# KiCad board PCA20073_nRF54L15_Tiny_Board.kicad_pcb (continued)
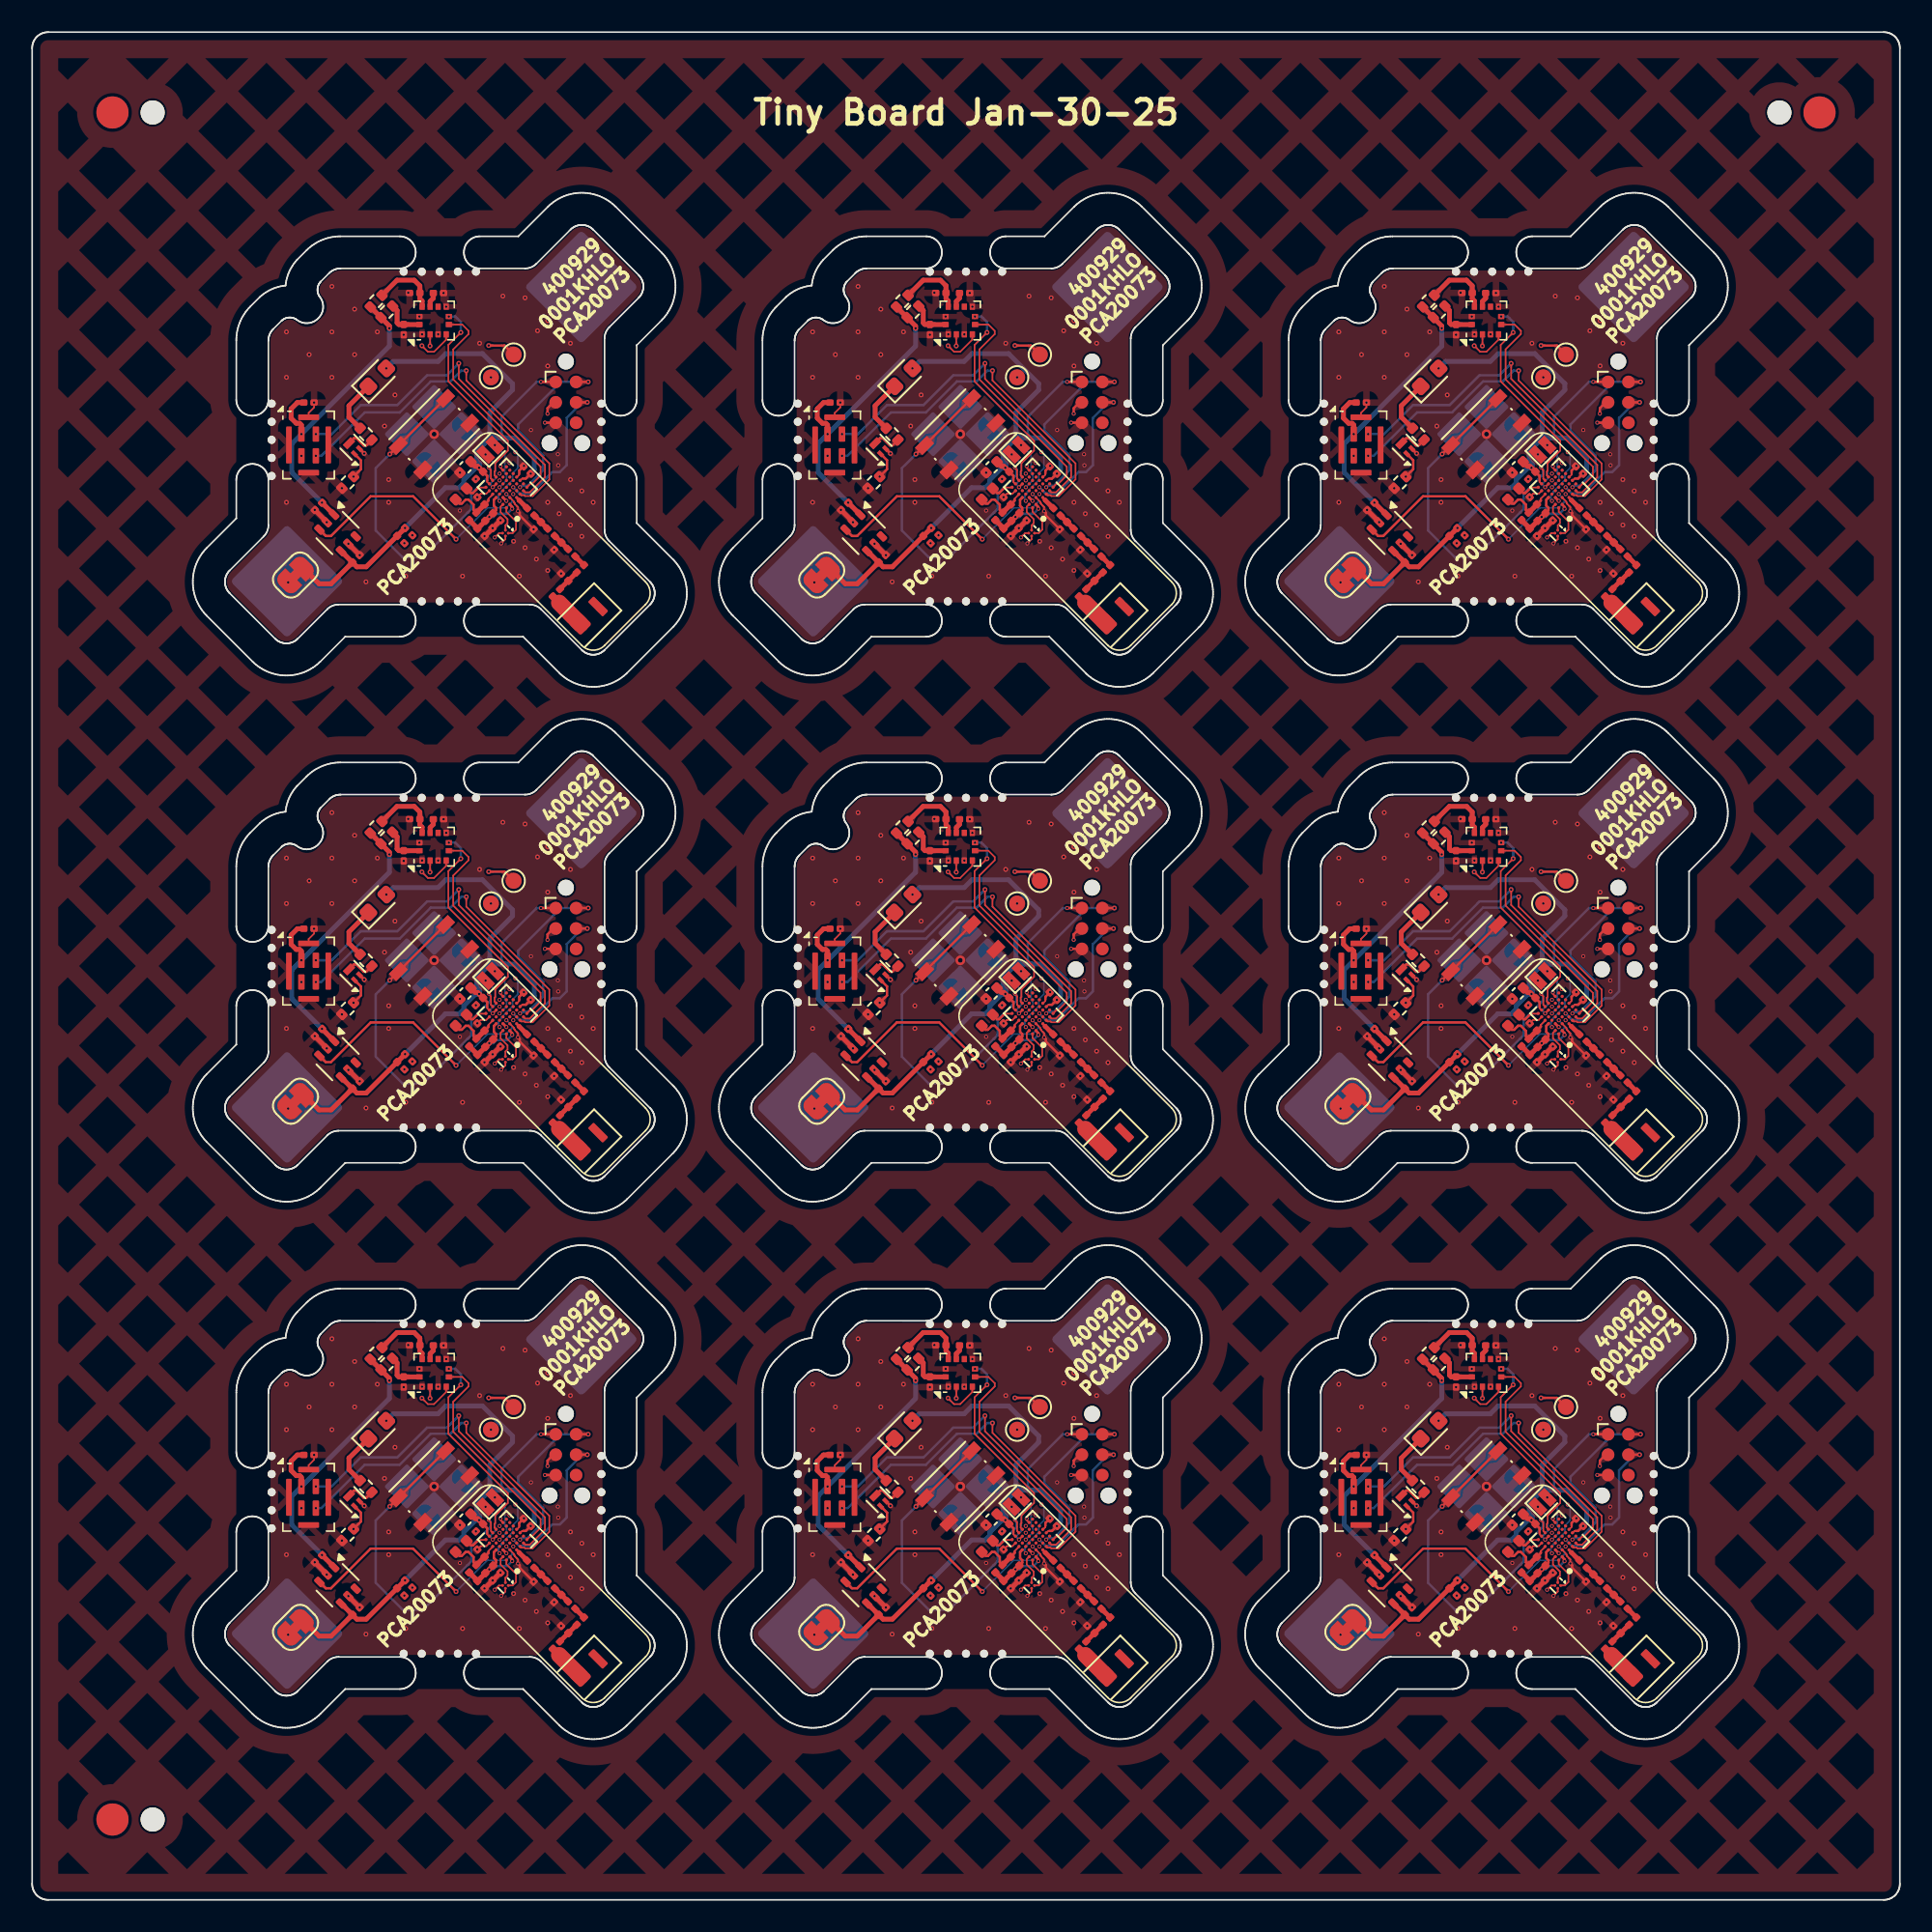
[diagram p0: board, top side]
## Routing (per net, layer and track width the routed paths; a pad name or vN(x,y) marks a point on that pad's centre or on a via; arc(x,y) is an arc through that point) (continued)
  vias: v1(16.76,24.38) v1(26.63,20.97) v1(27.62,22.93) v1(29.72,23.93) v1(30.61,23.75) v1(31.05,25.98) v1(32.72,24.48) v1(32.74,23.79) v2(15.83,32.09) v2(15.83,29.26) v2(15.83,21.48) v2(17.24,30.68) v2(18.66,34.92) v2(18.66,32.09) v2(18.66,29.26) v2(20.07,33.51) v2(20.07,30.68) v2(20.78,16.54) v2(21.48,32.09) v2(21.93,26.23) v2(22.19,22.9) v2(22.19,21.48) v2(22.58,28.17) v2(23.13,31.91) v2(23.25,16.89) v2(23.41,34.53) v2(24.11,33.05) v2(24.27,31.94) v2(25.27,31.94) v2(25.61,34.51) v2(25.77,33.66) v2(26.63,23.33) v2(26.79,16.89) v2(27.85,31.38) v2(29.3,34.32) v2(29.96,19.06) v2(30.32,16.89) v2(30.68,34.21) v2(30.68,18.66) v2(31.46,32.16) v2(31.38,17.95) v2(32.09,32.8) v2(32.09,29.97) v2(32.09,21.48) v2(32.09,17.24) v2(32.49,18.53) v2(32.8,20.78) v2(32.92,17.05) v2(33.51,31.38) v2(33.51,22.9) v2(33.51,20.07) v2(34.21,22.19) v2(34.21,19.36) v2(34.92,21.48) v3(25.02,25.73)
Board_6-Net-(AE1-PCB_Trace): length 1.9
  Top w1: AE1#3.2 32.8,15.23
Board_6-Net-(BT1-+):
  vias: v2(15.93,16.5)
Board_6-Net-(C6-Pad1): length 1.2
  Top w0.293: 31.25,20.67 32.07,19.85
Board_6-Net-(C9-Pad1): length 1.2
  Top w0.293: 32.53,19.4 33.35,18.58
Board_6-Net-(D1-K): length 3.4
  Top w0.3: D1#5.1 19.72,27.5 19.72,26.79 R1#3.1
Board_6-Net-(J1-SWCLK): length 9.5
  Top w0.15: J1#3.4 v2(34.55,27.71)
  Bottom w0.15: v1(29.94,22.42) 29.94,22.42 30.33,22.03 31.04,22.03 32.37,23.37 32.84,23.37 33.27,23.8 33.27,26.74 34.24,27.71 v2(34.55,27.71)
Board_6-Net-(J1-SWDIO): length 11.6
  Top w0.15: J1#3.2 33.86,28.98 v2(34.61,28.98)
  Bottom w0.15: v1(30.37,22.42) 30.38,22.42 30.48,22.52 30.85,22.52 31.81,23.48 31.81,24.4 30.25,25.96 30.25,26.33 32.9,28.98 v2(34.61,28.98)
Board_6-Net-(J1-~{RESET}): length 8.1
  Top w0.15: v1(29.94,22) 29.94,21.98 29.94,21.98 ; v1(32.08,27) 32.08,27.34 32.45,27.71 J1#3.3
  In2.Cu w0.15: v1(29.94,22) 30.02,22.08 30.58,22.08 31.77,23.27 31.77,23.8 30.97,24.6 30.97,25.34 31.46,25.83 31.46,26.75 31.71,27 v1(32.08,27)
Board_6-Net-(JP2-A): length 2.6
  Top w0.3: JP2#8.1 22.72,33.42 22.72,32.66 22.82,32.55 C16#3.1 23.13,32.55 U3.12 24.1,32.55
Board_6-Net-(JP3-A): length 4.3
  Top w0.3: U3.10 24.27,34.02 24.13,34.15 C17#2.1 24.13,34.96 23.78,35.31 22.71,35.31 JP3#5.1
Board_6-Net-(L4-Pad2): length 0.8
  Top w0.293: 33.8,18.12 34.34,17.58
Board_6-Net-(L18-Pad1): length 1.5
  Top w0.293: 33.89,17.13 32.85,16.09
Board_6-Net-(Q1-D): length 1.9
  Top w0.15: R1#3.2 20.79,25.02 20.64,25.02 20.18,25.48 20.04,25.48 Q1#8.3
Board_6-Net-(U1-ANT): length 0.9
  Top w0.1: 30.17,21.77 30.16,21.77 30.3,21.62
  Top w0.293: 30.3,21.62 30.3,21.62 L2#5.1
Board_6-Net-(U1-DCC): length 1.5
  Top w0.1: 28.24,22.4 27.78,22.4 27.76,22.38
  Top w0.15: 27.76,22.38 27.44,22.06 27.32,22.06 L1#8.2
Board_6-Net-(U1-DECA): length 5.3
  Top w0.15: C5#4.1 28.87,20.99 28.87,21.14 28.74,21.27 28.74,21.64 U1#8.A4 ; 29.73,21.34 29.88,21.2 v1(29.88,21.08)
  Top w0.3: FB1#7.1 27.7,19.88 C2#6.1 27.72,19.83 v1(28.45,20.57) C5#4.1
  Bottom w0.15: v1(29.88,21.08) 29.57,20.77 28.9,20.77 28.7,20.57 v1(28.45,20.57)
Board_6-Net-(U1-DECD): length 3.6
  Top w0.1: 28.67,21.98 28.4,21.71 28.4,21.65
  Top w0.15: C1.1 28.4,21.59 28.4,21.65 ; L1#8.1 26.6,21.41 26.74,21.41 26.99,21.65 27.16,21.65 27.47,21.34 27.47,21.01 FB1#7.2
  Top w0.3: FB1#7.2 C1.1
Board_6-Net-(U1-P1.00): length 3.1
  Top w0.1: v1(29.09,22.42) 29.1,22.41 29.09,22.4
  Bottom w0.1: v1(28.8,25.05) 29.43,24.42 29.43,23.26 29.53,23.15 29.53,22.86 v1(29.09,22.42)
Board_6-Net-(U1-XC1): length 2.2
  Top w0.1: U1#8.A1 29.52,20.89 30.12,20.29 30.12,19.78 29.91,19.57 29.64,19.57 Y2.1
Board_6-Net-(U1-XC2): length 1.9
  Top w0.1: U1#8.A2 29.16,21.21 29.16,20.87 29.59,20.44 29.59,20.18 29.46,20.05 Y2.4
Board_6-Net-(U3-V_{REG_OUT}): length 0.9
  Top w0.3: U3.9 24.77,33.99 24.97,34.19 C15#4.1
Board_6-unconnected-(U1-P1.03-PadD5): length 0
  Top w0.1: U1#8.D5 29.31,22.62 29.31,22.62
Board_6-VDD: length 45.3
  Top w0.1: 28.32,22.82 28.32,22.75 28.46,22.62 ; 30.37,22.83 30.5,22.96 30.57,22.96
  Top w0.15: 30.57,22.96 30.73,22.96 v2(31.03,23.27) ; J1#3.1 32.59,28.98 v1(31.67,28.98) ; C11#6.1 28.32,23.13 28.32,22.82
  Top w0.3: C10#2.1 27.59,23.73 27.73,23.73 v2(27.82,23.63) C11#6.1 ; JP1#2.2 17.86,16.42 18.61,16.42 C3.1 ; C3.1 20.21,17.47 20.79,17.47 v2(23.21,19.89) ; C3.1 19.24,18.44 U2#5.4
  Bottom w0.15: 29.22,25.73 29.22,25.49 ; 29.22,25.73 29.46,25.49 29.47,25.49 ; 29.22,25.73 29.22,26.8 31.4,28.98 v1(31.67,28.98) ; 29.22,25.73 29.22,25.69 29.02,25.49
  Bottom w0.3: 27.86,23.9 27.86,23.78 27.71,23.63 27.61,23.63 ; 27.86,23.9 27.86,23.67 v2(27.82,23.63) 27.61,23.63 ; 27.86,23.9 27.67,24.08 27.67,24.66 28.49,25.47 ; 28.49,25.47 28.49,25.87 ; 28.49,25.47 28.51,25.49 28.74,25.49 ; 27.61,23.63 26.87,22.89 26.87,22.68 26.58,22.4 25.72,22.4 v2(23.21,19.89) ; 28.74,25.49 28.74,25.54 28.49,25.79 28.49,25.87 ; 28.74,25.49 30.05,25.49 31.26,24.29 31.26,23.49 31.06,23.3 ; 28.49,25.87 28.49,27.07 29.9,28.49 29.9,28.87 28.03,30.74 25.75,30.74 25.26,30.25 22.47,30.25 v2(22.04,29.82)
Board_7-/BUTTON0: length 21.9
  Top w0.1: v1(61.17,23.66) 61.17,23.62 61.3,23.49 61.3,22.96 U1#6.C7
  Top w0.15: SW1#8.1 SW1#8.1 v2(55.01,24.49)
  Bottom w0.15: v2(55.01,24.49) 54.13,23.61 54.13,19.73 55.8,18.06 57.08,18.06 59.85,20.83 60.08,21.07 60.08,22.02 61.28,23.21 61.28,23.55 v1(61.17,23.66)
Board_7-/INT1: length 14.2
  Top w0.1: U1#6.G1 63.73,22.62 63.85,22.62 64.39,23.16 64.39,23.7 58.96,29.14 58.96,31 59.91,31.96 59.91,32.16 59.52,32.55 U3#8.5
Board_7-/INT2: length 12.8
  Top w0.1: v2(59.43,32.06) 58.65,31.28 58.65,29.02 62.36,25.31 62.36,24.7 61.57,23.92 61.57,23.45 61.52,23.4 61.52,23.17 U1#6.D7
  Bottom w0.15: v2(59.43,32.06) 59.43,32.71 59.09,33.05 v2(58.68,33.05)
Board_7-/LED: length 17.8
  Top w0.15: Q1#3.1 53.21,24.1 53.21,23.54 v2(52.75,23.08) ; v1(62.27,21.57) 62.27,21.57 U1#6.B3
  In2.Cu w0.15: v2(52.75,23.08) 53.43,22.4 53.43,19.65 55.27,17.82 56.11,17.82 57.52,19.23 58.48,19.23 58.96,18.75 59.56,18.75 60.52,19.71 60.52,20.43 61.26,21.17 61.87,21.17 v1(62.27,21.57)
Board_7-/LFCLK1: length 2.8
  Top w0.075: 61.42,22.42 61.42,22.4
  Top w0.1: U1#6.C6 v1(61.42,22.42)
  Bottom w0.1: v1(61.42,22.42) 61.29,22.55 61.29,22.67 61.57,22.95 61.57,23.87 v1(60.97,24.46)
Board_7-/LSW: length 15.9
  Top w0.075: v1(62.27,22) 62.27,21.98
  Top w0.15: U2.3 51.02,19.39 51.35,19.39 53.82,21.86 56.46,21.86 v2(59.13,19.19)
  Bottom w0.1: v1(62.27,22) 62.62,21.64 62.62,21.51 62.25,21.14 61.09,21.14 v2(59.13,19.19)
Board_7-/PDM_CLK: length 22.8
  Top w0.1: v2(59.77,29.68) 59.77,29.07 64.94,23.9 64.94,22.91 63.9,21.87 63.43,21.87 63.38,21.92 63.19,21.92 U1#6.E1
  Bottom w0.15: v2(59.77,29.68) 59.45,29.68 58.78,29.01 57.56,29.01 55.63,27.08 53.45,27.08 50.75,24.38 v1(50.41,24.38)
Board_7-/PDM_DATA: length 21.8
  Top w0.1: U1#6.F1 63.43,22.11 63.72,22.11 64.66,23.05 64.66,23.81 59.3,29.17 v2(59.3,30.13)
  Bottom w0.15: v1(50.41,25.73) 51.39,25.73 53.2,27.54 55.48,27.54 57.33,29.39 58.56,29.39 v2(59.3,30.13)
Board_7-/SCL: length 28.8
  Top w0.075: U1#6.F7 62.06,23.47
  Top w0.1: v2(57.01,31.23) 57.38,30.85 57.76,30.85 58.52,31.61 U3#8.4 ; U1#6.F7 61.9,23.64 v1(61.9,23.73)
  In2.Cu w0.1: v1(61.9,23.73) 62.11,23.52 62.11,23.26 62.17,23.19 62.17,22.33 61.81,21.96 61.54,21.96 59.16,19.58 57.2,19.58 56.93,19.3 56.55,19.3 56.54,19.31 56.28,19.31 ; v2(56.41,19.43) 56.28,19.31 ; 56.28,19.31 56.22,19.24 56.22,19.1 56.43,18.9 56.43,18.57 55.97,18.12 55.41,18.12 53.8,19.72 53.8,27.77 57.01,30.97 v2(57.01,31.23)
  In2.Cu w0.15: v2(56.41,19.43) 56.55,19.3
Board_7-/SDA: length 24.8
  Top w0.1: v2(57.51,31.21) 57.52,31.22 U3#8.2 ; v1(61.84,22.85) 61.84,22.83
  In2.Cu w0.1: v2(55.92,18.94) 56.12,18.73 56.12,18.62 55.94,18.44 55.42,18.44 54.1,19.77 54.1,27.66 57.51,31.07 v2(57.51,31.21)
  In2.Cu w0.15: v2(55.92,18.94) 55.78,19.08 55.78,19.25 56.38,19.86 56.38,20.17 58.68,22.47 60.32,22.47 60.7,22.84 61.84,22.84 v1(61.84,22.85)
Board_7-/UART_RX: length 13.6
  Top w0.15: TP2#3.1 62.15,31.24 v2(61.16,31.24)
  In2.Cu w0.15: v2(61.16,31.24) 62.15,31.24 62.98,30.42 62.98,24.76 v1(62.83,24.6)
  Bottom w0.1: v1(62.83,24.6) 62.97,24.45 62.97,23.62 62.65,23.3 62.65,22.87 61.95,22.17 61.95,22.1 61.78,21.93 61.78,21.83 61.78,21.89 61.78,21.64 v1(61.84,21.57)
Board_7-/UART_TX: length 7.1
  In2.Cu w0.15: v2(61.3,29.26) 62.65,27.92 62.65,24.89 61.59,23.84 61.59,23.5 61.83,23.27 v1(61.84,23.27)
Board_7-GND: length 11.5
  Top w0.075: 62.74,21.44 62.92,21.26
  Top w0.1: MK1#8.5 49.96,27.05 50.3,27.39 v1(50.3,27.69) ; U1#6.A6 61.01,22.02 60.67,22.02 v1(60.46,21.81) ; U1#6.C2 62.74,21.53 62.74,21.48 62.79,21.43 62.79,21.39 62.99,21.19 v1(62.99,20.93) ; v1(61.94,18.93) 62.21,19.19 Y2#9.2 ; v1(61.54,19.3) 61.8,19.57 Y2#9.3 ; 62.9,23.04 63.07,23.2 63.07,23.29
  Top w0.15: v1(62.99,20.93) 63.09,20.83 63.09,20.67 v2(63.96,19.8) ; C8#9.2 63.07,23.46 63.07,23.29 ; v2(52.03,22.36) 52.03,22.35 52.04,22.33 ; v2(53.42,24.53) Q1#3.2 ; J1#8.5 65.33,26.44 v1(64.66,26.44)
  Top w0.3: C12#8.2 v1(61.41,19.88) ; v1(61.41,19.88) v1(61.9,20.37) ; v1(61.41,19.88) 60.92,19.38 v1(60.9,19.38) ; v2(50.34,21.01) 51.09,20.26 v2(51.09,20.25) ; v2(52.43,18.9) v2(53.14,18.2)
  vias: v1(49.51,24.38) v1(59.37,20.97) v1(60.37,22.93) v1(62.46,23.93) v1(63.36,23.75) v1(63.79,25.98) v1(65.47,24.48) v1(65.49,23.79) v2(48.58,32.09) v2(48.58,29.26) v2(48.58,21.48) v2(49.99,30.68) v2(51.41,34.92) v2(51.41,32.09) v2(51.41,29.26) v2(52.82,33.51) v2(52.82,30.68) v2(53.53,16.54) v2(54.23,32.09) v2(54.68,26.23) v2(54.94,22.9) v2(54.94,21.48) v2(55.33,28.17) v2(55.87,31.91) v2(56,16.89) v2(56.16,34.53) v2(56.85,33.05) v2(57.02,31.94) v2(58.02,31.94) v2(58.36,34.51) v2(58.52,33.66) v2(59.37,23.33) v2(59.54,16.89) v2(60.6,31.38) v2(62.05,34.32) v2(62.71,19.06) v2(63.07,16.89) v2(63.43,34.21) v2(63.43,18.66) v2(64.13,17.95) v2(64.2,32.16) v2(64.84,32.8) v2(64.84,29.97) v2(64.84,21.48) v2(64.84,17.24) v2(65.24,18.53) v2(65.55,20.78) v2(65.67,17.05) v2(66.25,31.38) v2(66.25,22.9) v2(66.25,20.07) v2(66.96,22.19) v2(66.96,19.36) v2(67.67,21.48) v3(57.77,25.73)
Board_7-Net-(AE1-PCB_Trace): length 1.9
  Top w1: AE1.2 65.55,15.23
Board_7-Net-(BT1-+):
  vias: v2(48.68,16.5)
Board_7-Net-(C6-Pad1): length 1.2
  Top w0.293: 64,20.67 64.82,19.85
Board_7-Net-(C9-Pad1): length 1.2
  Top w0.293: 65.28,19.4 66.1,18.58
Board_7-Net-(D1-K): length 3.4
  Top w0.3: R1#7.1 52.47,26.79 52.47,27.5 D1.1
Board_7-Net-(J1-SWCLK): length 9.5
  Top w0.15: J1#8.4 v2(67.3,27.71)
  Bottom w0.15: v1(62.69,22.42) 62.69,22.42 63.08,22.03 63.79,22.03 65.12,23.37 65.59,23.37 66.02,23.8 66.02,26.74 66.99,27.71 v2(67.3,27.71)
Board_7-Net-(J1-SWDIO): length 11.6
  Top w0.15: v2(67.36,28.98) 66.61,28.98 J1#8.2
  Bottom w0.15: v1(63.12,22.42) 63.13,22.42 63.23,22.52 63.6,22.52 64.56,23.48 64.56,24.4 63,25.96 63,26.33 65.65,28.98 v2(67.36,28.98)
Board_7-Net-(J1-~{RESET}): length 8.1
  Top w0.15: J1#8.3 65.19,27.71 64.83,27.34 v1(64.83,27) ; 62.69,21.98 62.69,21.98 v1(62.69,22)
  In2.Cu w0.15: v1(62.69,22) 62.77,22.08 63.33,22.08 64.52,23.27 64.52,23.8 63.72,24.6 63.72,25.34 64.2,25.83 64.2,26.75 64.46,27 v1(64.83,27)
Board_7-Net-(JP2-A): length 2.6
  Top w0.3: 56.85,32.55 U3#8.12 55.88,32.55 C16#9.1 55.57,32.55 55.46,32.66 55.46,33.42 JP2#5.1
Board_7-Net-(JP3-A): length 4.3
  Top w0.3: JP3#6.1 55.46,35.31 56.53,35.31 56.88,34.96 C17#8.1 56.88,34.15 57.02,34.02 U3#8.10
Board_7-Net-(L4-Pad2): length 0.8
  Top w0.293: 66.55,18.12 67.09,17.58
Board_7-Net-(L18-Pad1): length 1.5
  Top w0.293: 66.64,17.13 65.6,16.09
Board_7-Net-(Q1-D): length 1.9
  Top w0.15: R1#7.2 53.54,25.02 53.39,25.02 52.93,25.48 52.78,25.48 Q1#3.3
Board_7-Net-(U1-ANT): length 0.9
  Top w0.1: 63.05,21.62 62.9,21.77 62.91,21.77
  Top w0.293: L2#7.1 63.05,21.62 63.05,21.62
Board_7-Net-(U1-DCC): length 1.5
  Top w0.1: 60.51,22.38 60.53,22.4 60.99,22.4
  Top w0.15: 60.51,22.38 60.19,22.06 60.07,22.06 L1#5.2
Board_7-Net-(U1-DECA): length 5.3
  Top w0.15: 62.48,21.34 62.63,21.2 v1(62.63,21.08) ; U1#6.A4 61.49,21.64 61.49,21.27 61.62,21.14 61.62,20.99 C5#9.1
  Top w0.3: FB1#5.1 60.45,19.88 C2#4.1 60.47,19.83 v1(61.2,20.57) C5#9.1
  Bottom w0.15: v1(62.63,21.08) 62.32,20.77 61.65,20.77 61.45,20.57 v1(61.2,20.57)
Board_7-Net-(U1-DECD): length 3.6
  Top w0.1: 61.42,21.98 61.15,21.71 61.15,21.65
  Top w0.15: L1#5.1 59.35,21.41 59.49,21.41 59.73,21.65 59.9,21.65 60.22,21.34 60.22,21.01 FB1#5.2 ; C1#9.1 61.15,21.59 61.15,21.65
  Top w0.3: FB1#5.2 C1#9.1
Board_7-Net-(U1-P1.00): length 3.1
  Top w0.1: v1(61.84,22.42) 61.85,22.41 61.84,22.4
  Bottom w0.1: v1(61.55,25.05) 62.17,24.42 62.17,23.26 62.28,23.15 62.28,22.86 v1(61.84,22.42)
Board_7-Net-(U1-XC1): length 2.2
  Top w0.1: U1#6.A1 62.27,20.89 62.87,20.29 62.87,19.78 62.66,19.57 62.38,19.57 Y2#9.1
Board_7-Net-(U1-XC2): length 1.9
  Top w0.1: Y2#9.4 62.21,20.05 62.34,20.18 62.34,20.44 61.91,20.87 61.91,21.21 U1#6.A2
Board_7-Net-(U3-V_{REG_OUT}): length 0.9
  Top w0.3: C15#7.1 57.72,34.19 57.52,33.99 U3#8.9
Board_7-unconnected-(U1-P1.03-PadD5): length 0
  Top w0.1: 62.05,22.62 62.06,22.62 62.06,22.63
Board_7-VDD: length 45.3
  Top w0.1: 61.21,22.62 61.07,22.75 61.07,22.82 ; 63.11,22.83 63.25,22.96 63.32,22.96
  Top w0.15: C11#9.1 61.07,23.13 61.07,22.82 ; v1(64.42,28.98) 65.33,28.98 J1#8.1 ; 63.32,22.96 63.48,22.96 v2(63.78,23.27)
  Top w0.3: C11#9.1 v2(60.57,23.63) 60.48,23.73 60.34,23.73 C10.1 ; C3#4.1 51.36,16.42 50.61,16.42 JP1.2 ; C3#4.1 51.99,18.44 U2.4 ; C3#4.1 52.96,17.47 53.54,17.47 v2(55.96,19.89)
  Bottom w0.15: v1(64.42,28.98) 64.15,28.98 61.97,26.8 61.97,25.73 ; 62.22,25.49 62.21,25.49 61.97,25.73 ; 61.97,25.73 61.97,25.69 61.77,25.49 ; 61.97,25.73 61.97,25.49
  Bottom w0.3: v2(55.96,19.89) 58.47,22.4 59.33,22.4 59.61,22.68 59.61,22.89 60.36,23.63 ; 61.23,25.47 60.42,24.66 60.42,24.08 60.6,23.9 ; 61.23,25.47 61.23,25.87 ; 61.23,25.47 61.26,25.49 61.49,25.49 ; 61.49,25.49 62.8,25.49 64.01,24.29 64.01,23.49 63.81,23.3 ; 61.49,25.49 61.49,25.54 61.23,25.79 61.23,25.87 ; 60.6,23.9 60.6,23.78 60.46,23.63 60.36,23.63 ; 60.6,23.9 60.6,23.67 v2(60.57,23.63) 60.36,23.63 ; 61.23,25.87 61.23,27.07 62.65,28.49 62.65,28.87 60.77,30.74 58.5,30.74 58.01,30.25 55.22,30.25 v2(54.79,29.82)
Board_8-/BUTTON0: length 21.9
  Top w0.1: U1#7.C7 94.05,22.96 94.05,23.49 93.92,23.62 v1(93.92,23.66)
  Top w0.15: v2(87.76,24.49) SW1#9.1 SW1#9.1
  Bottom w0.15: v1(93.92,23.66) 94.03,23.55 94.03,23.21 92.83,22.02 92.83,21.07 92.6,20.83 89.83,18.06 88.55,18.06 86.88,19.73 86.88,23.61 v2(87.76,24.49)
Board_8-/INT1: length 14.2
  Top w0.1: U1#7.G1 96.48,22.62 96.6,22.62 97.14,23.16 97.14,23.7 91.71,29.14 91.71,31 92.66,31.96 92.66,32.16 92.27,32.55 U3#3.5
Board_8-/INT2: length 12.8
  Top w0.1: U1#7.D7 94.27,23.17 94.27,23.4 94.32,23.45 94.32,23.92 95.11,24.7 95.11,25.31 91.4,29.02 91.4,31.28 v2(92.18,32.06)
  Bottom w0.15: v2(91.43,33.05) 91.84,33.05 92.18,32.71 v2(92.18,32.06)
Board_8-/LED: length 17.8
  Top w0.15: v1(95.01,21.57) 95.01,21.57 U1#7.B3 ; v2(85.5,23.08) 85.96,23.54 85.96,24.1 Q1#5.1
  In2.Cu w0.15: v1(95.01,21.57) 94.61,21.17 94.01,21.17 93.27,20.43 93.27,19.71 92.31,18.75 91.71,18.75 91.23,19.23 90.27,19.23 88.86,17.82 88.02,17.82 86.18,19.65 86.18,22.4 v2(85.5,23.08)
Board_8-/LFCLK1: length 2.8
  Top w0.075: v1(94.17,22.42) 94.17,22.4
  Top w0.1: U1#7.C6 v1(94.17,22.42)
  Bottom w0.1: v1(93.72,24.46) 94.32,23.87 94.32,22.95 94.04,22.67 94.04,22.55 v1(94.17,22.42)
Board_8-/LSW: length 15.9
  Top w0.075: 95.02,21.98 95.02,21.98 v1(95.02,22)
  Top w0.15: U2#8.3 83.77,19.39 84.1,19.39 86.57,21.86 89.21,21.86 v2(91.88,19.19)
  Bottom w0.1: v1(95.02,22) 95.37,21.64 95.37,21.51 94.99,21.14 93.83,21.14 v2(91.88,19.19)
Board_8-/PDM_CLK: length 22.8
  Top w0.1: v2(92.52,29.68) 92.52,29.07 97.69,23.9 97.69,22.91 96.65,21.87 96.18,21.87 96.13,21.92 95.94,21.92 U1#7.E1
  Bottom w0.15: v1(83.16,24.38) 83.5,24.38 86.2,27.08 88.38,27.08 90.31,29.01 91.53,29.01 92.2,29.68 v2(92.52,29.68)
Board_8-/PDM_DATA: length 21.8
  Top w0.1: v2(92.05,30.13) 92.05,29.17 97.41,23.81 97.41,23.05 96.47,22.11 96.18,22.11 U1#7.F1
  Bottom w0.15: v1(83.16,25.73) 84.14,25.73 85.95,27.54 88.23,27.54 90.08,29.39 91.31,29.39 v2(92.05,30.13)
Board_8-/SCL: length 28.8
  Top w0.075: U1#7.F7 94.8,23.47 94.8,23.46
  Top w0.1: U3#3.4 91.27,31.61 90.51,30.85 90.13,30.85 v2(89.75,31.23) ; U1#7.F7 94.65,23.64 v1(94.65,23.73)
  In2.Cu w0.1: 89.03,19.31 89.29,19.31 89.29,19.3 89.68,19.3 89.95,19.58 91.9,19.58 94.29,21.96 94.56,21.96 94.92,22.33 94.92,23.19 94.86,23.26 94.86,23.52 v1(94.65,23.73) ; 89.03,19.31 88.97,19.24 88.97,19.1 89.17,18.9 89.17,18.57 88.72,18.12 88.16,18.12 86.55,19.72 86.55,27.77 89.75,30.97 v2(89.75,31.23) ; 89.03,19.31 v2(89.16,19.43)
  In2.Cu w0.15: v2(89.16,19.43) 89.29,19.3
Board_8-/SDA: length 24.8
  Top w0.1: v1(94.59,22.85) 94.59,22.83 ; U3#3.2 90.27,31.22 v2(90.26,31.21)
  In2.Cu w0.1: v2(90.26,31.21) 90.26,31.07 86.85,27.66 86.85,19.77 88.17,18.44 88.69,18.44 88.87,18.62 88.87,18.73 v2(88.67,18.94)
  In2.Cu w0.15: v1(94.59,22.85) 94.59,22.84 93.45,22.84 93.07,22.47 91.43,22.47 89.13,20.17 89.13,19.86 88.52,19.25 88.52,19.08 v2(88.67,18.94)
Board_8-/UART_RX: length 13.6
  Top w0.15: TP2#2.1 94.9,31.24 v2(93.91,31.24)
  In2.Cu w0.15: v2(93.91,31.24) 94.9,31.24 95.73,30.42 95.73,24.76 v1(95.57,24.6)
  Bottom w0.1: v1(94.59,21.57) 94.53,21.64 94.53,21.89 94.53,21.83 94.53,21.93 94.7,22.1 94.7,22.17 95.4,22.87 95.4,23.3 95.72,23.62 95.72,24.45 v1(95.57,24.6)
Board_8-/UART_TX: length 7.1
  In2.Cu w0.15: v1(94.59,23.27) 94.57,23.27 94.34,23.5 94.34,23.84 95.4,24.89 95.4,27.92 v2(94.05,29.26)
Board_8-GND: length 11.5
  Top w0.075: 95.49,21.44 95.67,21.26
  Top w0.1: v1(94.29,19.3) 94.55,19.57 Y2#6.3 ; MK1#3.5 82.71,27.05 83.05,27.39 v1(83.05,27.69) ; v1(93.21,21.81) 93.42,22.02 93.76,22.02 U1#7.A6 ; Y2#6.2 94.95,19.19 v1(94.69,18.93) ; U1#7.C2 95.49,21.53 95.49,21.48 95.54,21.43 95.54,21.39 95.74,21.19 v1(95.74,20.93) ; 95.81,23.29 95.81,23.2 95.65,23.04
  Top w0.15: J1#5.5 98.08,26.44 v1(97.41,26.44) ; v2(84.78,22.36) 84.78,22.35 84.79,22.33 ; v1(95.74,20.93) 95.84,20.83 95.84,20.67 v2(96.71,19.8) ; C8#7.2 95.81,23.46 95.81,23.29 ; v2(86.17,24.53) Q1#5.2
  Top w0.3: v2(83.84,20.25) 83.84,20.26 v2(83.09,21.01) ; v1(94.65,20.37) v1(94.16,19.88) ; v1(94.16,19.88) C12#6.2 ; v1(94.16,19.88) 93.67,19.38 v1(93.65,19.38) ; v2(85.18,18.9) v2(85.89,18.2)
  vias: v1(82.26,24.38) v1(92.12,20.97) v1(93.12,22.93) v1(95.21,23.93) v1(96.11,23.75) v1(96.54,25.98) v1(98.22,24.48) v1(98.24,23.79) v2(81.33,32.09) v2(81.33,29.26) v2(81.33,21.48) v2(82.74,30.68) v2(84.15,34.92) v2(84.15,32.09) v2(84.15,29.26) v2(85.57,33.51) v2(85.57,30.68) v2(86.28,16.54) v2(86.98,32.09) v2(87.43,26.23) v2(87.69,22.9) v2(87.69,21.48) v2(88.08,28.17) v2(88.62,31.91) v2(88.75,16.89) v2(88.9,34.53) v2(89.6,33.05) v2(89.77,31.94) v2(90.77,31.94) v2(91.11,34.51) v2(91.27,33.66) v2(92.12,23.33) v2(92.29,16.89) v2(93.35,31.38) v2(94.8,34.32) v2(95.46,19.06) v2(95.82,16.89) v2(96.17,34.21) v2(96.17,18.66) v2(96.95,32.16) v2(96.88,17.95) v2(97.59,32.8) v2(97.59,29.97) v2(97.59,21.48) v2(97.59,17.24) v2(97.99,18.53) v2(98.3,20.78) v2(98.42,17.05) v2(99,31.38) v2(99,22.9) v2(99,20.07) v2(99.71,22.19) v2(99.71,19.36) v2(100.42,21.48) v3(90.52,25.73)
Board_8-Net-(AE1-PCB_Trace): length 1.9
  Top w1: AE1#2.2 98.3,15.23
Board_8-Net-(BT1-+):
  vias: v2(81.43,16.5)
Board_8-Net-(C6-Pad1): length 1.2
  Top w0.293: 96.75,20.67 97.57,19.85
Board_8-Net-(C9-Pad1): length 1.2
  Top w0.293: 98.02,19.4 98.84,18.58
Board_8-Net-(D1-K): length 3.4
  Top w0.3: D1#7.1 85.21,27.5 85.21,26.79 R1.1
Board_8-Net-(J1-SWCLK): length 9.5
  Top w0.15: J1#5.4 v2(100.05,27.71)
  Bottom w0.15: v1(95.44,22.42) 95.44,22.42 95.83,22.03 96.54,22.03 97.87,23.37 98.34,23.37 98.77,23.8 98.77,26.74 99.74,27.71 v2(100.05,27.71)
Board_8-Net-(J1-SWDIO): length 11.6
  Top w0.15: J1#5.2 99.36,28.98 v2(100.11,28.98)
  Bottom w0.15: v1(95.86,22.42) 95.88,22.42 95.98,22.52 96.34,22.52 97.31,23.48 97.31,24.4 95.75,25.96 95.75,26.33 98.4,28.98 v2(100.11,28.98)
Board_8-Net-(J1-~{RESET}): length 8.1
  Top w0.15: J1#5.3 97.94,27.71 97.57,27.34 v1(97.57,27) ; v1(95.44,22) 95.44,21.98 95.44,21.98
  In2.Cu w0.15: v1(95.44,22) 95.52,22.08 96.08,22.08 97.27,23.27 97.27,23.8 96.46,24.6 96.46,25.34 96.95,25.83 96.95,26.75 97.21,27 v1(97.57,27)
Board_8-Net-(JP2-A): length 2.6
  Top w0.3: JP2#2.1 88.21,33.42 88.21,32.66 88.32,32.55 C16#8.1 88.63,32.55 U3#3.12 89.6,32.55
Board_8-Net-(JP3-A): length 4.3
  Top w0.3: U3#3.10 89.77,34.02 89.63,34.15 C17#3.1 89.63,34.96 89.28,35.31 88.21,35.31 JP3#2.1
Board_8-Net-(L4-Pad2): length 0.8
  Top w0.293: 99.3,18.12 99.84,17.58
Board_8-Net-(L18-Pad1): length 1.5
  Top w0.293: 99.39,17.13 98.35,16.09
Board_8-Net-(Q1-D): length 1.9
  Top w0.15: Q1#5.3 85.53,25.48 85.67,25.48 86.13,25.02 86.29,25.02 R1.2
Board_8-Net-(U1-ANT): length 0.9
  Top w0.1: 95.8,21.62 95.65,21.77 95.66,21.77
  Top w0.293: 95.8,21.62 95.8,21.62 L2#4.1
Board_8-Net-(U1-DCC): length 1.5
  Top w0.1: 93.25,22.38 93.28,22.4 93.74,22.4
  Top w0.15: 93.25,22.38 92.94,22.06 92.82,22.06 L1#6.2
Board_8-Net-(U1-DECA): length 5.3
  Top w0.15: 95.23,21.34 95.38,21.2 v1(95.38,21.08) ; C5#8.1 94.37,20.99 94.37,21.14 94.24,21.27 94.24,21.64 U1#7.A4
  Top w0.3: C5#8.1 v1(93.95,20.57) 93.21,19.83 C2#3.1 93.2,19.88 FB1#2.1
  Bottom w0.15: v1(95.38,21.08) 95.06,20.77 94.4,20.77 94.2,20.57 v1(93.95,20.57)
Board_8-Net-(U1-DECD): length 3.6
  Top w0.1: 93.9,21.65 93.9,21.71 94.17,21.98
  Top w0.15: C1#4.1 93.9,21.59 93.9,21.65 ; L1#6.1 92.1,21.41 92.24,21.41 92.48,21.65 92.65,21.65 92.97,21.34 92.97,21.01 FB1#2.2
  Top w0.3: FB1#2.2 C1#4.1
Board_8-Net-(U1-P1.00): length 3.1
  Top w0.1: v1(94.59,22.42) 94.6,22.41 94.59,22.4
  Bottom w0.1: v1(94.3,25.05) 94.92,24.42 94.92,23.26 95.03,23.15 95.03,22.86 v1(94.59,22.42)
Board_8-Net-(U1-XC1): length 2.2
  Top w0.1: U1#7.A1 95.02,20.89 95.62,20.29 95.62,19.78 95.4,19.57 95.13,19.57 Y2#6.1
Board_8-Net-(U1-XC2): length 1.9
  Top w0.1: Y2#6.4 94.95,20.05 95.09,20.18 95.09,20.44 94.65,20.87 94.65,21.21 U1#7.A2
Board_8-Net-(U3-V_{REG_OUT}): length 0.9
  Top w0.3: C15.1 90.47,34.19 90.27,33.99 U3#3.9
Board_8-unconnected-(U1-P1.03-PadD5): length 0
  Top w0.1: 94.8,22.62 94.8,22.62 U1#7.D5
Board_8-VDD: length 45.3
  Top w0.1: 93.95,22.62 93.82,22.75 93.82,22.82 ; 96.07,22.96 96,22.96 95.86,22.83
  Top w0.15: v1(97.16,28.98) 98.08,28.98 J1#5.1 ; C11#8.1 93.82,23.13 93.82,22.82 ; 96.07,22.96 96.22,22.96 v2(96.53,23.27)
  Top w0.3: C3#2.1 84.1,16.42 83.35,16.42 JP1#4.2 ; C3#2.1 85.71,17.47 86.29,17.47 v2(88.71,19.89) ; C3#2.1 84.73,18.44 U2#8.4 ; C10#7.1 93.08,23.73 93.23,23.73 v2(93.32,23.63) C11#8.1
  Bottom w0.15: 94.72,25.73 94.72,25.49 ; 94.72,25.73 94.96,25.49 94.97,25.49 ; 94.72,25.73 94.72,25.69 94.52,25.49 ; 94.72,25.73 94.72,26.8 96.9,28.98 v1(97.16,28.98)
  Bottom w0.3: 93.98,25.47 94,25.49 94.24,25.49 ; 93.98,25.47 93.98,25.87 ; 93.98,25.47 93.17,24.66 93.17,24.08 93.35,23.9 ; 94.24,25.49 95.55,25.49 96.75,24.29 96.75,23.49 96.56,23.3 ; 94.24,25.49 94.24,25.54 93.98,25.79 93.98,25.87 ; 93.11,23.63 92.36,22.89 92.36,22.68 92.08,22.4 91.22,22.4 v2(88.71,19.89) ; 93.11,23.63 93.2,23.63 93.35,23.78 93.35,23.9 ; 93.11,23.63 v2(93.32,23.63) 93.35,23.67 93.35,23.9 ; v2(87.54,29.82) 87.97,30.25 90.76,30.25 91.25,30.74 93.52,30.74 95.4,28.87 95.4,28.49 93.98,27.07 93.98,25.87

## Copper pours and planes (outline as drawn; the poured copper is in the pictures)
(no net) on Top: 0.51,0.9 0.52,0.86 0.54,0.81 0.56,0.76 0.58,0.72 0.61,0.68 0.65,0.65 0.68,0.61 0.72,0.58 0.76,0.56 0.81,0.54 0.86,0.52 0.9,0.51 0.95,0.5 1.02,0.5 115.23,0.5 115.29,0.5 115.34,0.51 115.39,0.52 115.44,0.54 115.48,0.56 115.52,0.58 115.56,0.61 115.6,0.65 115.63,0.68 115.66,0.72 115.69,0.76 115.71,0.81 115.72,0.86 115.74,0.9 115.74,0.95 115.75,1.02 115.75,115.23 115.74,115.29 115.74,115.34 115.72,115.39 115.71,115.44 115.69,115.48 115.66,115.52 115.63,115.56 115.6,115.6 115.56,115.63 115.52,115.66 115.48,115.69 115.44,115.71 115.39,115.72 115.34,115.74 115.29,115.74 115.23,115.75 1.02,115.75 0.95,115.74 0.9,115.74 0.86,115.72 0.81,115.71 0.76,115.69 0.72,115.66 0.68,115.63 0.65,115.6 0.61,115.56 0.58,115.52 0.56,115.48 0.54,115.44 0.52,115.39 0.51,115.34 0.5,115.29 0.5,115.23 0.5,1.02 0.5,0.95 ; 9 cut-outs
(no net) on Bottom: 0.51,0.9 0.52,0.86 0.54,0.81 0.56,0.76 0.58,0.72 0.61,0.68 0.65,0.65 0.68,0.61 0.72,0.58 0.76,0.56 0.81,0.54 0.86,0.52 0.9,0.51 0.95,0.5 1.02,0.5 115.23,0.5 115.29,0.5 115.34,0.51 115.39,0.52 115.44,0.54 115.48,0.56 115.52,0.58 115.56,0.61 115.6,0.65 115.63,0.68 115.66,0.72 115.69,0.76 115.71,0.81 115.72,0.86 115.74,0.9 115.74,0.95 115.75,1.02 115.75,115.23 115.74,115.29 115.74,115.34 115.72,115.39 115.71,115.44 115.69,115.48 115.66,115.52 115.63,115.56 115.6,115.6 115.56,115.63 115.52,115.66 115.48,115.69 115.44,115.71 115.39,115.72 115.34,115.74 115.29,115.74 115.23,115.75 1.02,115.75 0.95,115.74 0.9,115.74 0.86,115.72 0.81,115.71 0.76,115.69 0.72,115.66 0.68,115.63 0.65,115.6 0.61,115.56 0.58,115.52 0.56,115.48 0.54,115.44 0.52,115.39 0.51,115.34 0.5,115.29 0.5,115.23 0.5,1.02 0.5,0.95 ; 9 cut-outs
